# Allegro board PSOC_6A512K_CAPSENSE_VALIDATION_BOARD_Rev_2.brd (continued)
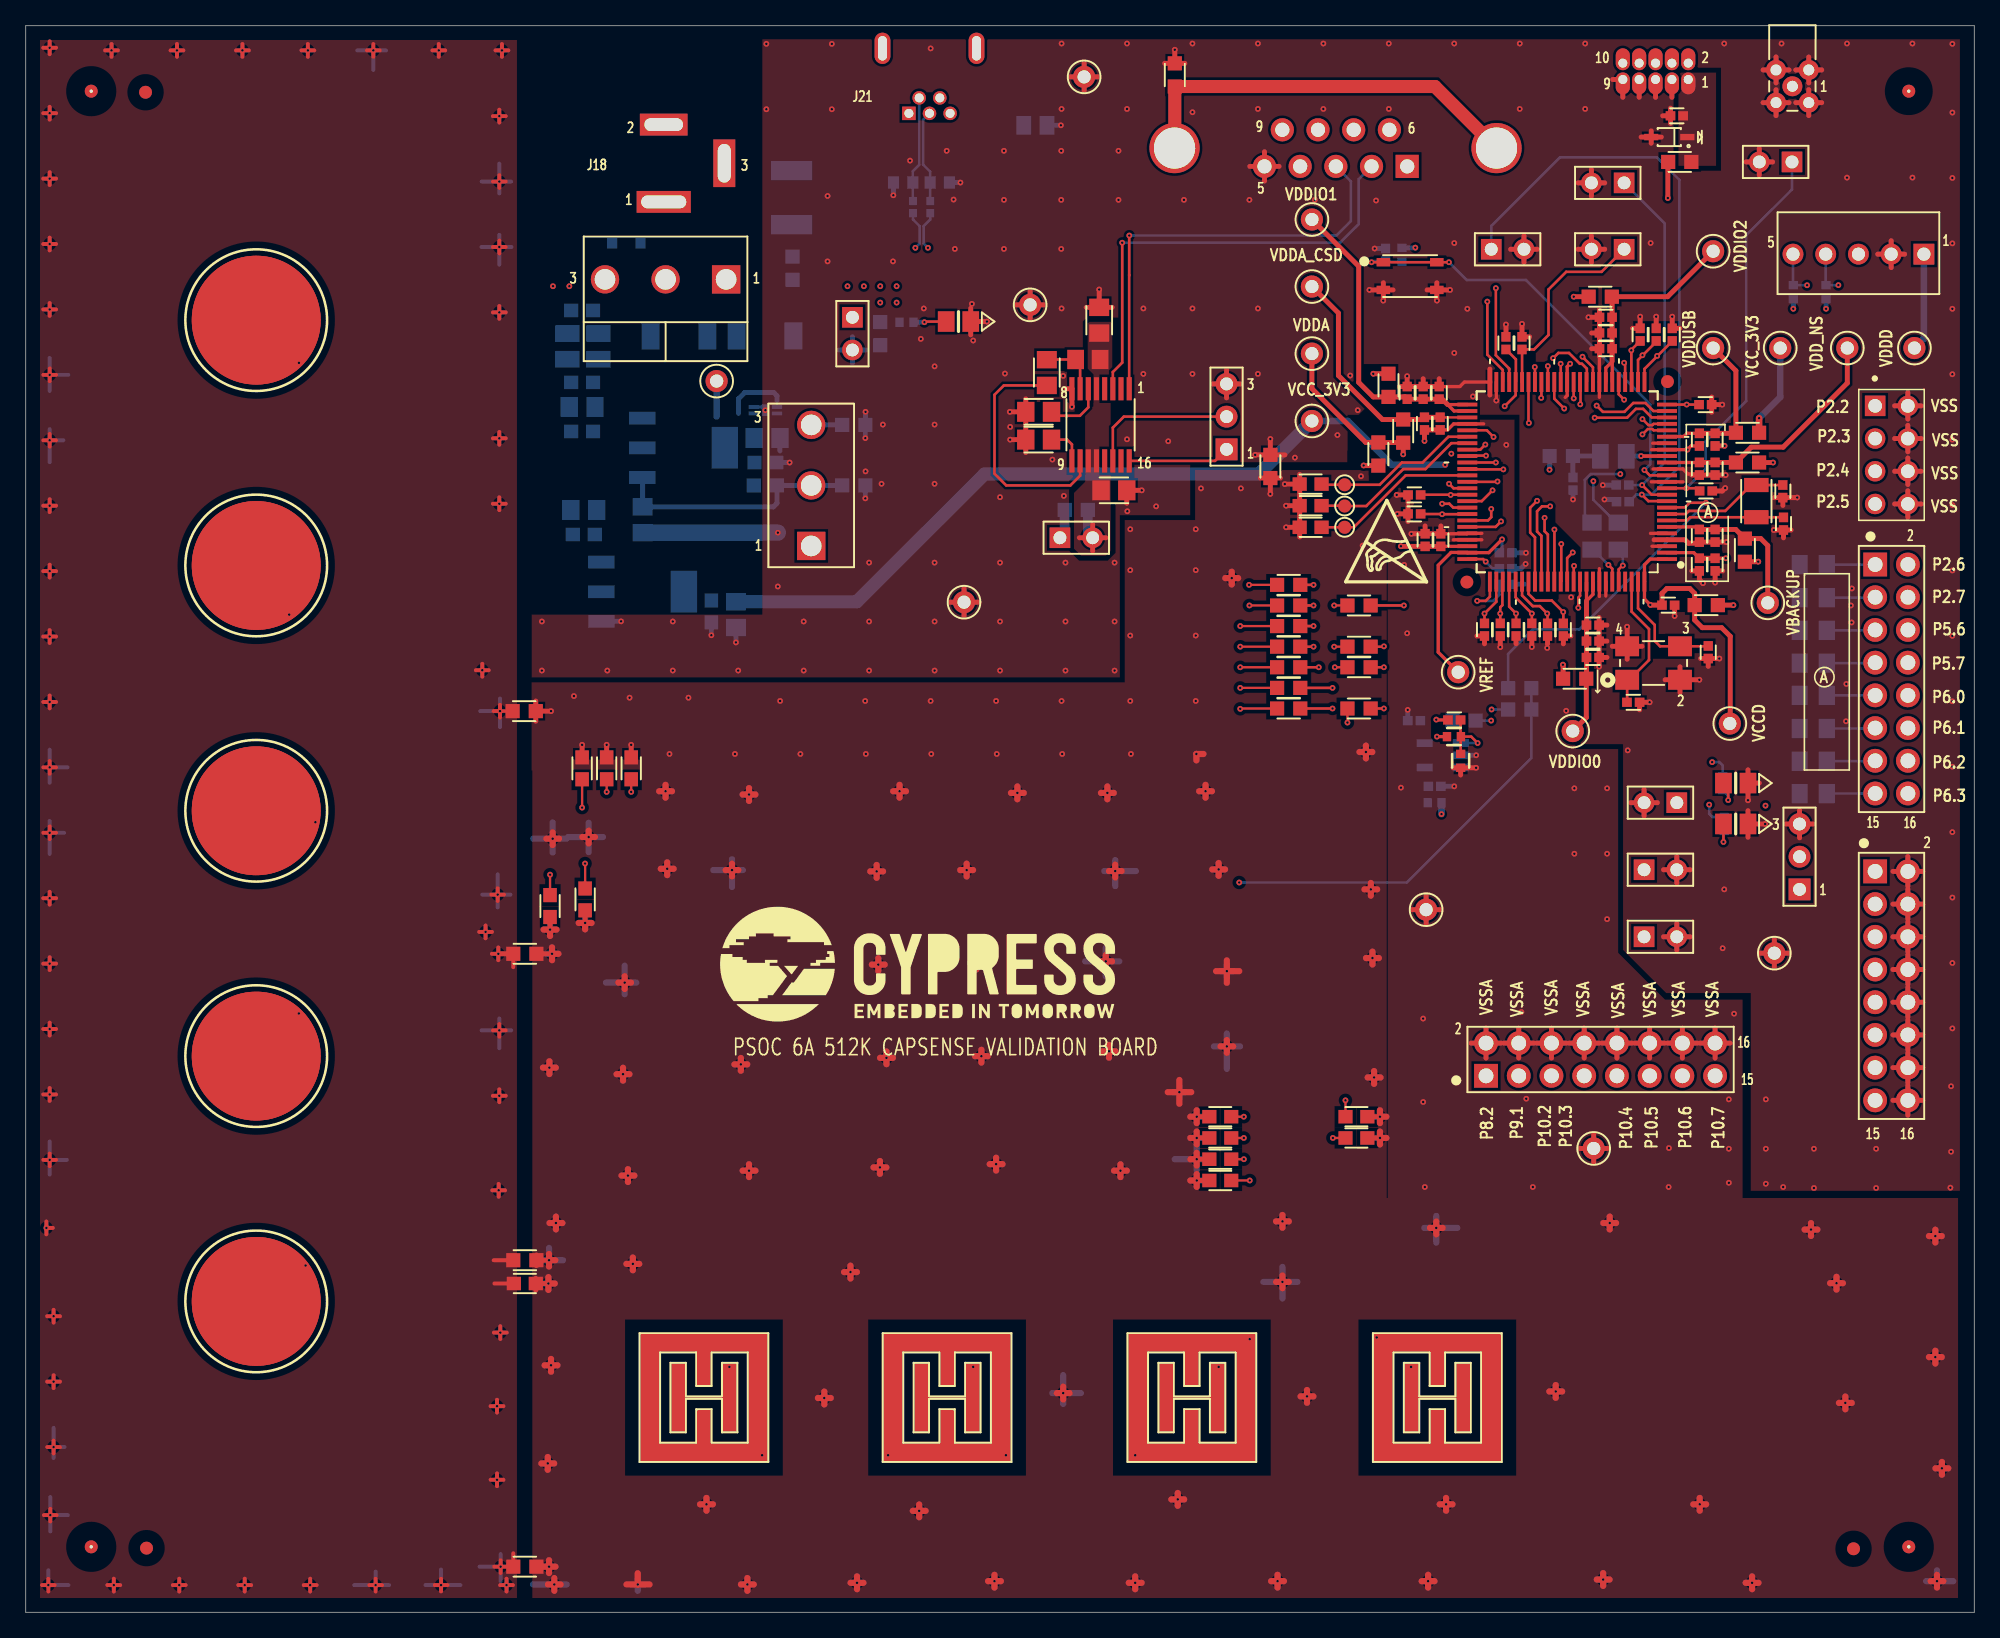
[diagram p0: board, top side]
## Routing (per net, layer and track width the routed paths; a pad name or vN(x,y) marks a point on that pad's centre or on a via; arc(x,y) is an arc through that point) (continued)
CSD0: length 112.7
  TOP w0.178: C27.1 v1(46.99,63.7) ; R10.1 v1(94.26,76.58)
  L04_SIG w0.178: v1(21.2,97.02) 33.53,84.7 33.53,68.71 37.47,64.77 45.92,64.77 v1(46.99,63.7) 48.08,62.61 91.21,62.61 92.25,63.65 92.25,74.57 v1(94.26,76.58)
CSD1: length 95.7
  TOP w0.178: C26.1 v1(45.09,63.7) ; R12.1 v1(94.26,74.98)
  L04_SIG w0.178: v1(94.26,74.98) 92.76,73.48 92.76,63.37 90.98,61.59 47.19,61.59 v1(45.09,63.7) 34.21,63.7 v1(20.45,77.47)
CSD2: length 88.9
  TOP w0.178: C25.1 v1(43.18,62.48) ; v1(94.26,73.38) R17.1
  L04_SIG w0.178: v1(94.26,73.38) 93.22,72.34 93.22,62.99 90.81,60.58 45.09,60.58 v1(43.18,62.48) 23.61,62.48 v1(22.48,61.35)
CSD3: length 93.5
  TOP w0.178: C30.1 43.41,58.14 v1(43.41,58.14) ; v1(94.26,71.78) R19.1
  L04_SIG w0.178: v1(21.2,46.5) 32.84,58.14 v1(43.41,58.14) 44.83,59.56 90.8,59.56 93.65,62.41 93.65,71.17 v1(94.26,71.78)
CSD4: length 108.9
  TOP w0.178: v1(94.26,70.15) 94.28,70.18 R79.1 ; C121.1 v1(40.69,57.28)
  L04_SIG w0.178: v1(94.26,70.15) 94.26,61.95 90.98,58.67 46.74,58.67 45.34,57.28 v1(40.69,57.28) 36.45,57.28 33.78,54.61 33.78,38.99 v1(21.72,26.92)
HATCH: length 355.3
  TOP w0.254: R14.2 v1(36.81,69.98)
  TOP w0.305: 21.4,121.28 v1(21.89,121.28) ; v1(21.89,121.28) 22.39,121.28 ; v1(21.89,121.28) 21.89,121.78 ; v1(21.89,121.28) 21.89,120.79 ; v1(35.69,52.83) 35.69,53.33 ; v1(35.69,52.83) 35.19,52.83 ; v1(35.69,52.83) 36.18,52.83 ; v1(35.69,52.83) 35.69,52.34 ; 36.75,44.69 v1(36.75,45.19) ; v1(36.75,45.19) 36.75,45.68 ; v1(36.75,45.19) 37.25,45.19 ; v1(36.75,45.19) 36.26,45.19 ; C39.1 38.12,25.53 ; C39.1 37.89,25.17 ; C39.1 36.37,25.53 ; C39.1 37.89,25.76 ; v1(32.23,2.11) 32.73,2.11 ; v1(32.23,2.11) 32.23,2.6 ; v1(32.23,2.11) 31.74,2.11 ; v1(32.23,2.11) 32.23,1.61 ; v1(2.16,17.91) 2.65,17.91 ; v1(2.16,17.91) 2.16,17.41 ; v1(2.16,17.91) 2.16,18.4 ; v1(2.16,17.91) 1.66,17.91 ; 2.16,12.33 v1(2.16,12.83) ; v1(2.16,12.83) 1.66,12.83 ; v1(2.16,12.83) 2.65,12.83 ; v1(2.16,12.83) 2.16,13.32 ; 36.75,85.59 v1(36.75,86.08) ; v1(36.75,86.08) 36.75,86.58 ; v1(36.75,86.08) 36.26,86.08 ; v1(36.75,86.08) 37.25,86.08 ; 37.84,3.4 R30.2 ; R30.2 37.69,3.54 ; R30.2 38.12,3.54 ; R30.2 37.84,4.57 ; v1(1.85,50.37) 2.35,50.37 ; v1(1.85,50.37) 1.85,50.86 ; v1(1.85,50.37) 1.85,49.87 ; v1(1.85,50.37) 1.36,50.37 ; 34.94,73.15 v1(35.43,73.15) ; v1(35.43,73.15) 35.43,72.66 ; v1(35.43,73.15) 35.43,73.65 ; v1(35.43,73.15) 35.93,73.15 ; v1(36.75,116.18) 36.75,116.67 ; v1(36.75,116.18) 36.75,115.68 ; v1(36.75,116.18) 36.26,116.18 ; v1(36.75,116.18) 37.25,116.18 ; 36.7,32.27 v1(36.7,32.77) ; v1(36.7,32.77) 36.7,33.26 ; v1(36.7,32.77) 36.21,32.77 ; v1(36.7,32.77) 37.2,32.77 ; v1(1.85,45.29) 2.35,45.29 ; v1(1.85,45.29) 1.85,45.78 ; v1(1.85,45.29) 1.85,44.79 ; v1(1.85,45.29) 1.36,45.29 ; v1(1.85,60.53) 2.35,60.53 ; v1(1.85,60.53) 1.36,60.53 ; v1(1.85,60.53) 1.85,60.03 ; v1(1.85,60.53) 1.85,61.02 ; 1.75,1.61 v1(1.75,2.11) ; v1(1.75,2.11) 1.26,2.11 ; v1(1.75,2.11) 1.75,2.6 ; v1(1.75,2.11) 2.25,2.11 ; v1(26.97,121.28) 26.97,121.78 ; v1(26.97,121.28) 26.48,121.28 ; v1(26.97,121.28) 27.47,121.28 ; v1(26.97,121.28) 26.97,120.79 ; v1(36.58,16) 37.07,16 ; v1(36.58,16) 36.58,16.5 ; v1(36.58,16) 36.58,15.51 ; v1(36.58,16) 36.08,16 ; 1.85,39.71 v1(1.85,40.21) ; v1(1.85,40.21) 1.36,40.21 ; v1(1.85,40.21) 2.35,40.21 ; v1(1.85,40.21) 1.85,40.7 ; 36.26,106.02 v1(36.75,106.02) ; v1(36.75,106.02) 36.75,106.51 ; v1(36.75,106.02) 37.25,106.02 ; v1(36.75,106.02) 36.75,105.52 ; 1.36,111.33 v1(1.85,111.33) ; v1(1.85,111.33) 1.85,110.83 ; v1(1.85,111.33) 2.35,111.33 ; v1(1.85,111.33) 1.85,111.82 ; 36.36,3.54 v1(36.86,3.54) ; v1(36.86,3.54) 36.86,4.03 ; v1(36.86,3.54) 37.35,3.54 ; v1(36.86,3.54) 36.86,3.04 ; v1(6.83,2.11) 6.83,2.6 ; v1(6.83,2.11) 7.33,2.11 ; v1(6.83,2.11) 6.83,1.61 ; v1(6.83,2.11) 6.34,2.11 ; 6.16,121.28 v1(6.65,121.28) ; v1(6.65,121.28) 6.65,121.78 ; v1(6.65,121.28) 7.15,121.28 ; v1(6.65,121.28) 6.65,120.79 ; 1.85,115.91 v1(1.85,116.41) ; v1(1.85,116.41) 1.85,116.9 ; v1(1.85,116.41) 1.36,116.41 ; v1(1.85,116.41) 2.35,116.41 ; v1(1.85,85.93) 1.85,86.42 ; v1(1.85,85.93) 1.85,85.43 ; v1(1.85,85.93) 1.36,85.93 ; v1(1.85,85.93) 2.35,85.93 ; 36.13,55.73 v1(36.63,55.73) ; v1(36.63,55.73) 36.63,56.22 ; v1(36.63,55.73) 37.12,55.73 ; v1(36.63,55.73) 36.63,55.23 ; v1(1.85,101.17) 2.35,101.17 ; v1(1.85,101.17) 1.36,101.17 ; v1(1.85,101.17) 1.85,101.66 ; v1(1.85,101.17) 1.85,100.67 ; 36.26,111.1 v1(36.75,111.1) ; v1(36.75,111.1) 36.75,111.59 ; v1(36.75,111.1) 37.25,111.1 ; v1(36.75,111.1) 36.75,110.6 ; v1(1.85,80.85) 1.85,81.34 ; v1(1.85,80.85) 1.36,80.85 ; v1(1.85,80.85) 2.35,80.85 ; v1(1.85,80.85) 1.85,80.35 ; 1.85,95.59 v1(1.85,96.09) ; v1(1.85,96.09) 2.35,96.09 ; v1(1.85,96.09) 1.85,96.58 ; v1(1.85,96.09) 1.36,96.09 ; v1(36.75,100.94) 36.75,101.43 ; v1(36.75,100.94) 37.25,100.94 ; v1(36.75,100.94) 36.26,100.94 ; v1(36.75,100.94) 36.75,100.44 ; 36.26,40.11 v1(36.75,40.11) ; v1(36.75,40.11) 36.75,39.61 ; v1(36.75,40.11) 36.75,40.6 ; v1(36.75,40.11) 37.25,40.11 ; 26.66,2.11 v1(27.15,2.11) ; v1(27.15,2.11) 27.65,2.11 ; v1(27.15,2.11) 27.15,2.6 ; v1(27.15,2.11) 27.15,1.61 ; 36.68,50.64 v1(36.68,51.13) ; v1(36.68,51.13) 37.17,51.13 ; v1(36.68,51.13) 36.68,51.62 ; v1(36.68,51.13) 36.18,51.13 ; v1(22.07,2.11) 22.07,2.6 ; v1(22.07,2.11) 22.07,1.61 ; v1(22.07,2.11) 22.57,2.11 ; v1(22.07,2.11) 21.58,2.11 ; v1(1.85,121.49) 2.35,121.49 ; v1(1.85,121.49) 1.85,121.98 ; v1(1.85,121.49) 1.85,120.99 ; v1(1.85,121.49) 1.36,121.49 ; v1(16.99,2.11) 17.49,2.11 ; v1(16.99,2.11) 16.99,2.6 ; v1(16.99,2.11) 16.99,1.61 ; v1(16.99,2.11) 16.5,2.11 ; v1(36.83,21.72) 37.32,21.72 ; v1(36.83,21.72) 36.34,21.72 ; v1(36.83,21.72) 36.83,22.21 ; v1(36.83,21.72) 36.83,21.22 ; 1.6,29.35 v1(1.6,29.84) ; v1(1.6,29.84) 1.6,30.34 ; v1(1.6,29.84) 2.09,29.84 ; 31.56,121.28 v1(32.05,121.28) ; v1(32.05,121.28) 32.05,121.78 ; v1(32.05,121.28) 32.05,120.79 ; v1(32.05,121.28) 32.55,121.28 ; v1(36.75,91.16) 36.75,91.66 ; v1(36.75,91.16) 37.25,91.16 ; v1(36.75,91.16) 36.75,90.67 ; v1(36.75,91.16) 36.26,91.16 ; 1.91,7.05 v1(1.91,7.54) ; v1(1.91,7.54) 1.41,7.54 ; v1(1.91,7.54) 1.91,8.04 ; v1(1.91,7.54) 2.4,7.54 ; 1.36,106.25 v1(1.85,106.25) ; v1(1.85,106.25) 2.35,106.25 ; v1(1.85,106.25) 1.85,106.74 ; v1(1.85,106.25) 1.85,105.75 ; 1.36,65.61 v1(1.85,65.61) ; v1(1.85,65.61) 1.85,66.1 ; v1(1.85,65.61) 2.35,65.61 ; v1(1.85,65.61) 1.85,65.11 ; 1.36,35.13 v1(1.85,35.13) ; v1(1.85,35.13) 1.85,35.62 ; v1(1.85,35.13) 1.85,34.63 ; v1(1.85,35.13) 2.35,35.13 ; 11.73,120.79 v1(11.73,121.28) ; v1(11.73,121.28) 11.73,121.78 ; v1(11.73,121.28) 11.24,121.28 ; v1(11.73,121.28) 12.23,121.28 ; 36.96,120.79 v1(36.96,121.28) ; v1(36.96,121.28) 37.45,121.28 ; v1(36.96,121.28) 36.96,121.78 ; v1(36.96,121.28) 36.46,121.28 ; 1.66,22.99 v1(2.16,22.99) ; v1(2.16,22.99) 2.16,23.48 ; v1(2.16,22.99) 2.16,22.49 ; v1(2.16,22.99) 2.65,22.99 ; R29.2 37.84,27.68 ; R29.2 37.84,26.99 ; R29.2 38.12,27.34 ; R29.2 36.31,27.34 ; v1(1.85,70.69) 1.85,71.18 ; v1(1.85,70.69) 2.35,70.69 ; v1(1.85,70.69) 1.36,70.69 ; v1(1.85,70.69) 1.85,70.19 ; R28.2 37.84,51.27 ; R28.2 37.84,50.09 ; R28.2 38.12,51.13 ; v1(1.85,91.01) 1.85,91.5 ; v1(1.85,91.01) 1.85,90.51 ; v1(1.85,91.01) 1.36,91.01 ; v1(1.85,91.01) 2.35,91.01 ; 11.91,1.61 v1(11.91,2.11) ; v1(11.91,2.11) 11.91,2.6 ; v1(11.91,2.11) 11.42,2.11 ; v1(11.91,2.11) 12.41,2.11 ; 1.85,75.27 v1(1.85,75.77) ; v1(1.85,75.77) 1.85,76.26 ; v1(1.85,75.77) 1.36,75.77 ; v1(1.85,75.77) 2.35,75.77 ; 36.08,10.29 v1(36.58,10.29) ; v1(36.58,10.29) 36.58,9.79 ; v1(36.58,10.29) 36.58,10.78 ; v1(36.58,10.29) 37.07,10.29 ; v1(1.85,55.45) 2.35,55.45 ; v1(1.85,55.45) 1.85,54.95 ; v1(1.85,55.45) 1.36,55.45 ; v1(1.85,55.45) 1.85,55.94 ; v1(16.81,121.28) 16.81,121.78 ; v1(16.81,121.28) 17.31,121.28 ; v1(16.81,121.28) 16.32,121.28 ; v1(16.81,121.28) 16.81,120.79 ; 36.31,69.98 v1(36.81,69.98) ; v1(36.81,69.98) 36.81,70.47 ; v1(36.81,69.98) 36.81,69.48 ; v1(37.31,2.11) 37.81,2.11 ; v1(37.31,2.11) 36.82,2.11 ; v1(37.31,2.11) 37.31,1.61 ; v1(37.31,2.11) 37.31,2.6
  TOP w0.381: v1(36.68,51.13) 36.68,51.13 R28.2
  L03_SIG w0.203: v1(36.63,55.73) 37.57,56.67 v1(94.18,56.67)
  BOTTOM w0.203: R55.2 R57.2 116.85,66.33 107.19,56.67 v1(94.18,56.67)
  BOTTOM w0.305: v1(36.75,86.08) 36.75,86.58 ; v1(36.75,86.08) 36.75,85.59 ; v1(36.75,86.08) 37.25,86.08 ; v1(36.75,86.08) 36.26,86.08 ; 1.85,100.67 v1(1.85,101.17) ; v1(1.85,101.17) 2.35,101.17 ; v1(1.85,101.17) 1.85,101.66 ; v1(1.85,101.17) 1.36,101.17 ; v1(27.15,2.11) 28.2,2.11 ; v1(27.15,2.11) 27.15,3.16 ; v1(27.15,2.11) 25.49,2.11 ; 1.6,29.35 v1(1.6,29.84) ; v1(1.6,29.84) 2.09,29.84 ; v1(1.6,29.84) 1.6,30.34 ; 11.24,121.28 v1(11.73,121.28) ; v1(11.73,121.28) 11.73,121.78 ; v1(11.73,121.28) 11.73,120.79 ; v1(11.73,121.28) 12.23,121.28 ; v1(36.68,51.13) 37.17,51.13 ; v1(36.68,51.13) 36.18,51.13 ; v1(36.68,51.13) 36.68,50.64 ; v1(36.68,51.13) 36.68,51.62 ; 36.58,9.79 v1(36.58,10.29) ; v1(36.58,10.29) 36.58,10.78 ; v1(36.58,10.29) 37.07,10.29 ; v1(36.58,10.29) 36.08,10.29 ; v1(36.75,111.1) 37.67,111.1 ; v1(36.75,111.1) 36.75,112.49 ; v1(36.75,111.1) 36.75,110.18 ; v1(36.75,111.1) 35.38,111.1 ; v1(1.85,85.93) 1.85,86.42 ; v1(1.85,85.93) 1.85,85.43 ; v1(1.85,85.93) 1.36,85.93 ; v1(1.85,85.93) 2.35,85.93 ; v1(1.85,40.21) 2.35,40.21 ; v1(1.85,40.21) 1.85,39.71 ; v1(1.85,40.21) 1.36,40.21 ; v1(1.85,40.21) 1.85,40.7 ; v1(11.91,2.11) 11.91,2.6 ; v1(11.91,2.11) 11.91,1.61 ; v1(11.91,2.11) 11.42,2.11 ; v1(11.91,2.11) 12.41,2.11 ; 36.26,100.94 v1(36.75,100.94) ; v1(36.75,100.94) 37.25,100.94 ; v1(36.75,100.94) 36.75,101.43 ; v1(36.75,100.94) 36.75,100.44 ; v1(36.75,45.19) 37.68,45.19 ; v1(36.75,45.19) 36.75,46.11 ; v1(36.75,45.19) 36.75,43.8 ; v1(36.75,45.19) 35.38,45.19 ; v1(35.69,52.83) 36.18,52.83 ; v1(35.69,52.83) 35.19,52.83 ; v1(35.69,52.83) 35.69,53.33 ; v1(35.69,52.83) 35.69,52.34 ; v1(1.85,116.41) 1.85,116.9 ; v1(1.85,116.41) 1.36,116.41 ; v1(1.85,116.41) 1.85,115.91 ; v1(1.85,116.41) 2.35,116.41 ; v1(32.23,2.11) 33.73,2.11 ; v1(32.23,2.11) 31.02,2.11 ; v1(32.23,2.11) 32.23,3.32 ; 36.82,2.11 v1(37.31,2.11) ; v1(37.31,2.11) 37.81,2.11 ; v1(37.31,2.11) 37.31,1.61 ; v1(37.31,2.11) 37.31,2.6 ; 1.85,89.31 v1(1.85,91.01) ; v1(1.85,91.01) 1.85,91.87 ; v1(1.85,91.01) 2.92,91.01 ; v1(1.85,70.69) 2.35,70.69 ; v1(1.85,70.69) 1.36,70.69 ; v1(1.85,70.69) 1.85,70.19 ; v1(1.85,70.69) 1.85,71.18 ; v1(1.85,50.37) 2.35,50.37 ; v1(1.85,50.37) 1.36,50.37 ; v1(1.85,50.37) 1.85,50.86 ; v1(1.85,50.37) 1.85,49.87 ; 36.63,54.73 v1(36.63,55.73) ; v1(36.63,55.73) 35.43,55.73 ; v1(36.63,55.73) 36.63,57.3 ; v1(36.63,55.73) 37.62,55.73 ; v1(36.83,21.72) 36.83,22.21 ; v1(36.83,21.72) 37.32,21.72 ; v1(36.83,21.72) 36.83,21.22 ; v1(36.83,21.72) 36.34,21.72 ; 1.85,110.83 v1(1.85,111.33) ; v1(1.85,111.33) 1.36,111.33 ; v1(1.85,111.33) 1.85,111.82 ; v1(1.85,111.33) 2.35,111.33 ; v1(36.75,116.18) 37.25,116.18 ; v1(36.75,116.18) 36.75,115.68 ; v1(36.75,116.18) 36.26,116.18 ; v1(36.75,116.18) 36.75,116.67 ; v1(1.91,7.54) 1.91,8.95 ; v1(1.91,7.54) 3.27,7.54 ; v1(1.91,7.54) 1.91,6.28 ; v1(1.85,35.13) 3.19,35.13 ; v1(1.85,35.13) 1.85,33.99 ; v1(1.85,35.13) 1.85,36.56 ; v1(1.85,80.85) 1.85,81.34 ; v1(1.85,80.85) 2.35,80.85 ; v1(1.85,80.85) 1.85,80.35 ; v1(1.85,80.85) 1.36,80.85 ; v1(21.89,121.28) 22.39,121.28 ; v1(21.89,121.28) 21.4,121.28 ; v1(21.89,121.28) 21.89,121.78 ; v1(21.89,121.28) 21.89,120.79 ; 36.21,32.77 v1(36.7,32.77) ; v1(36.7,32.77) 36.7,33.26 ; v1(36.7,32.77) 36.7,32.27 ; v1(36.7,32.77) 37.2,32.77 ; v1(16.81,121.28) 16.81,121.78 ; v1(16.81,121.28) 16.32,121.28 ; v1(16.81,121.28) 17.31,121.28 ; v1(16.81,121.28) 16.81,120.79 ; v1(1.85,106.25) 2.35,106.25 ; v1(1.85,106.25) 1.85,105.75 ; v1(1.85,106.25) 1.85,106.74 ; v1(1.85,106.25) 1.36,106.25 ; v1(1.85,65.61) 3.25,65.61 ; v1(1.85,65.61) 1.85,66.98 ; v1(1.85,65.61) 1.85,64.41 ; 1.36,55.45 v1(1.85,55.45) ; v1(1.85,55.45) 1.85,54.95 ; v1(1.85,55.45) 2.35,55.45 ; v1(1.85,55.45) 1.85,55.94 ; 2.16,17.41 v1(2.16,17.91) ; v1(2.16,17.91) 2.65,17.91 ; v1(2.16,17.91) 1.66,17.91 ; v1(2.16,17.91) 2.16,18.4 ; v1(35.43,73.15) 35.43,73.65 ; v1(35.43,73.15) 35.93,73.15 ; v1(35.43,73.15) 35.43,72.66 ; v1(35.43,73.15) 34.94,73.15 ; 1.85,94.84 v1(1.85,96.09) ; v1(1.85,96.09) 1.85,97.41 ; v1(1.85,96.09) 3.3,96.09 ; v1(2.16,12.83) 3.02,12.83 ; v1(2.16,12.83) 2.16,11.97 ; v1(2.16,12.83) 2.16,14.32 ; v1(1.85,45.29) 1.85,45.78 ; v1(1.85,45.29) 1.36,45.29 ; v1(1.85,45.29) 2.35,45.29 ; v1(1.85,45.29) 1.85,44.79 ; v1(36.75,106.02) 36.75,106.96 ; v1(36.75,106.02) 35.36,106.02 ; v1(36.75,106.02) 37.69,106.02 ; v1(36.75,106.02) 36.75,104.65 ; v1(16.99,2.11) 17.49,2.11 ; v1(16.99,2.11) 16.99,1.61 ; v1(16.99,2.11) 16.99,2.6 ; v1(16.99,2.11) 16.5,2.11 ; 1.85,58.88 v1(1.85,60.53) ; v1(1.85,60.53) 2.97,60.53 ; v1(1.85,60.53) 1.85,61.45 ; 6.16,121.28 v1(6.65,121.28) ; v1(6.65,121.28) 6.65,120.79 ; v1(6.65,121.28) 6.65,121.78 ; v1(6.65,121.28) 7.15,121.28 ; v1(36.81,69.98) 36.81,70.95 ; v1(36.81,69.98) 37.78,69.98 ; v1(36.81,69.98) 36.81,68.74 ; v1(36.81,69.98) 35.27,69.98 ; 6.83,1.61 v1(6.83,2.11) ; v1(6.83,2.11) 6.34,2.11 ; v1(6.83,2.11) 6.83,2.6 ; v1(6.83,2.11) 7.33,2.11 ; 36.26,40.11 v1(36.75,40.11) ; v1(36.75,40.11) 37.25,40.11 ; v1(36.75,40.11) 36.75,40.6 ; v1(36.75,40.11) 36.75,39.61 ; v1(36.86,3.54) R30.2 ; v1(36.86,3.54) 36.86,4.52 ; v1(36.86,3.54) 35.22,3.54 ; v1(36.86,3.54) 36.86,2.41 ; v1(26.97,121.28) 27.96,121.28 ; v1(26.97,121.28) 25.73,121.28 ; v1(26.97,121.28) 26.97,119.76 ; v1(2.16,22.99) 2.16,23.48 ; v1(2.16,22.99) 2.65,22.99 ; v1(2.16,22.99) 2.16,22.49 ; v1(2.16,22.99) 1.66,22.99 ; 1.36,75.77 v1(1.85,75.77) ; v1(1.85,75.77) 1.85,76.26 ; v1(1.85,75.77) 2.35,75.77 ; v1(1.85,75.77) 1.85,75.27 ; v1(36.58,16) 37.07,16 ; v1(36.58,16) 36.58,16.5 ; v1(36.58,16) 36.58,15.51 ; v1(36.58,16) 36.08,16 ; v1(36.96,121.28) 36.96,121.78 ; v1(36.96,121.28) 36.46,121.28 ; v1(36.96,121.28) 37.45,121.28 ; v1(36.96,121.28) 36.96,120.79 ; v1(32.05,121.28) 32.05,121.78 ; v1(32.05,121.28) 32.55,121.28 ; v1(32.05,121.28) 31.56,121.28 ; v1(32.05,121.28) 32.05,120.79 ; v1(36.75,91.16) 36.75,91.66 ; v1(36.75,91.16) 37.25,91.16 ; v1(36.75,91.16) 36.75,90.67 ; v1(36.75,91.16) 36.26,91.16 ; v1(1.85,121.49) 2.35,121.49 ; v1(1.85,121.49) 1.85,120.99 ; v1(1.85,121.49) 1.36,121.49 ; v1(1.85,121.49) 1.85,121.98 ; v1(22.07,2.11) 22.57,2.11 ; v1(22.07,2.11) 22.07,1.61 ; v1(22.07,2.11) 22.07,2.6 ; v1(22.07,2.11) 21.58,2.11 ; 3.31,2.11 v1(1.75,2.11) 1.75,3.26
I2C_SCL: length 37.2
  L04_SIG w0.203: v1(123.76,88.39) 123.76,92.14 126.36,94.74 136.04,94.74 138.86,97.56 138.86,98.88 140.69,100.71 140.69,103.05 v1(140.68,103.05)
  BOTTOM w0.203: J5.4 139.7,103.08 R32.1 v1(140.68,103.05) ; v1(123.76,88.39) 121.46,88.39 121.01,87.93 121.01,85.17 R42.1
I2C_SDA: length 37.2
  L04_SIG w0.203: v1(138.25,103.05) 138.25,97.64 135.79,95.17 125.93,95.17 123.22,92.46 123.22,91.85 122.98,91.62 122.28,91.62 122.07,91.41 122.07,91.06 122.28,90.86 122.99,90.86 123.22,90.63 123.22,89.38 v1(121.67,87.83)
  BOTTOM w0.203: v1(121.67,87.83) 121.67,86.39 123.44,84.62 R41.1 ; v1(138.25,103.05) 138.25,103.05 R33.1 137.16,103.08 J5.5
LTCVCC: length 6.4
  TOP w0.381: J10.2 83.84,83.44 ; J10.2 82.8,84.47 ; J10.2 82.8,82.41 ; J10.2 81.77,83.44
  BOTTOM w0.762: J10.2 82.43,83.81 R48.1
P0_0: length 9.1
  TOP w0.203: U8.7 128.93,84.78 129.18,85.03 Y1.2 136.41,85.03 C49.1
P0_1: length 9.9
  TOP w0.203: U8.8 128.84,85.28 129.08,85.52 131.9,85.52 133.91,87.53 Y1.1 136.37,87.53 C48.1
P0_2: length 26
  TOP w0.203: v1(130.4,86.16) 129.13,86.16 128.78,85.8 127.4,85.8 U8.9
  BOTTOM w0.203: v1(130.4,86.16) 120.57,76.33 116.97,76.33 115.05,74.41 R55.1
P0_3: length 48.8
  TOP w0.203: U8.10 125.93,86.28 v1(125.43,86.79)
  BOTTOM w0.203: C114.2 125,86.79 v1(125.43,86.79) 126.19,86.79 128.35,88.95 128.35,111.23 126.59,112.98 119.08,112.98 113.74,107.65 J6.1
P0_4: length 28.8
  TOP w0.203: v1(125.45,87.53) 126.2,86.78 U8.11
  BOTTOM w0.203: J3.1 127.2,107.85 127.2,89.28 v1(125.45,87.53) C113.2
P0_5: length 37.2
  TOP w0.203: C110.2 129.7,87.28 v1(128.88,87.28) U8.12
  L03_SIG w0.203: J2.1 137.11,112.65 J1.1
  BOTTOM w0.203: J2.1 137.08,110.49 133.53,106.93 133.53,94.06 130.38,90.91 130.38,88.78 v1(128.88,87.28)
P2_0: length 49.8
  TOP w0.203: U8.23 126.19,92.78 125.53,93.45 124.97,93.45 124.28,92.76 v1(121.77,92.76) ; U1.16 92.3,89.41 J8.1
  L03_SIG w0.203: J8.1 97.86,94.97 113.06,94.97 116.03,97.94 119.62,97.94 121.19,96.38 121.19,93.34 v1(121.77,92.76)
P2_1: length 52.9
  TOP w0.203: v1(121.92,93.7) 122.4,93.22 124.08,93.22 124.76,93.9 125.7,93.9 126.33,93.28 U8.24 ; U1.14 84.37,91.99 85.22,92.84 J8.2
  L03_SIG w0.203: J8.2 95.76,95.4 112.85,95.4 115.8,98.35 120.75,98.35 121.92,97.18 v1(121.92,93.7)
P2_2: length 18.8
  TOP w0.203: C122.2 129.86,93.78 v1(128.91,93.78) U8.25
  L04_SIG w0.203: v1(128.91,93.78) 130.97,91.72 141.57,91.72 J24.1
P2_3: length 23.7
  TOP w0.203: C123.2 127.79,98.7 126.64,97.56 v1(126.62,97.56) 126.62,97.54 125.63,96.55 U8.26
  L03_SIG w0.203: J24.3 140.35,91.14 134.9,96.6 127.58,96.6 v1(126.62,97.56)
P2_4: length 25.6
  TOP w0.203: U8.27 125.13,97.24 125.48,97.59 v1(125.48,97.61) 125.5,97.61 126.54,98.65 C124.2
  L03_SIG w0.203: J24.5 141.9,88.6 134.47,96.04 127.05,96.04 v1(125.48,97.61)
P2_5: length 27.6
  TOP w0.203: U8.28 124.61,95.55 v1(124.61,97.99) 124.61,98.04 C125.2
  L03_SIG w0.203: J24.7 133.97,95.63 126.57,95.63 124.94,97.26 124.94,97.66 v1(124.61,97.99)
P2_6: length 30
  TOP w0.203: v1(124.05,97.03) 124.13,96.95 U8.29
  L03_SIG w0.203: v1(124.05,97.03) 126.36,94.72 131.72,94.72 142.62,83.82 143.62,83.82 J20.2
P2_7: length 29.9
  TOP w0.203: v1(124.05,94.16) 123.63,94.58 U8.30
  L03_SIG w0.203: v1(124.05,94.16) 125.53,94.16 127.61,92.08 129.49,92.08 141.45,80.11 144.79,80.11 J20.4
P3_0: length 38.5
  TOP w0.203: v1(120.82,97.5) 120.95,97.37 120.95,97.36 121.63,96.67 U8.34 ; R18.1 v1(105.41,73.38)
  L04_SIG w0.203: v1(105.41,73.38) 108.25,76.23 108.25,89.48 111.05,92.28 111.05,94.92 114.12,97.99 120.33,97.99 120.82,97.5 v1(120.82,97.5)
P3_1: length 40.6
  TOP w0.203: U8.35 121.16,95.56 121.16,96.57 120.78,96.95 120.61,96.95 119.77,97.79 118.95,97.79 v1(118.54,97.38) ; R25.1 v1(105.41,70.18)
  L04_SIG w0.203: v1(105.41,70.18) 108.69,73.46 108.69,89.33 111.48,92.13 111.48,94.67 114.2,97.38 v1(118.54,97.38)
P5_0: length 41
  TOP w0.203: U8.36 120.67,95.49 120.67,93.82 v1(120.65,93.8)
  L04_SIG w0.203: v1(120.65,93.8) 116.76,89.92 116.76,87.58 116,86.82 116,84.35 118.69,81.66 118.69,77.19 119.2,76.68 120.45,76.68 123.47,73.66 123.47,71.91 129.36,66.01 v1(130.89,66.01)
  BOTTOM w0.203: R58.1 131.7,65.76 131.44,66.01 v1(130.89,66.01)
P5_1: length 44.4
  TOP w0.203: U8.37 120.13,94.27 v1(120.14,94.26)
  L04_SIG w0.203: v1(130.66,62.71) 130.66,64.03 122.94,71.75 122.94,73.56 120.4,76.1 118.72,76.1 117.47,77.34 117.47,82.31 115.6,84.18 115.6,87.07 116.28,87.76 116.28,91.19 119.33,94.23 120.12,94.23 v1(120.14,94.26)
  BOTTOM w0.203: v1(130.66,62.71) 130.66,62 130.9,61.75 R60.1
P5_6: length 38.4
  TOP w0.203: v1(119.13,96.95) 119.13,96.94 U8.39
  L03_SIG w0.203: v1(119.13,96.95) 119.13,96.94 119.13,94.51 123.16,90.47 127.76,90.47 140.67,77.57 144.79,77.57 J20.6
P5_7: length 37.6
  TOP w0.203: U8.40 118.63,94.24 v1(119.41,93.47)
  L03_SIG w0.203: v1(119.41,93.47) 119.41,92.86 123.04,89.23 128.4,89.23 142.6,75.03 144.79,75.03 J20.8
P6_0: length 42.8
  TOP w0.203: U8.41 v1(118.13,96.77)
  L03_SIG w0.203: v1(118.13,96.77) 118.64,96.26 118.64,92.68 125.81,85.52 131.42,85.52 141.63,75.31 141.63,73.63 142.8,72.47 144.81,72.47 J20.10
P6_1: length 41
  TOP w0.203: U8.42 117.63,94.32 v1(117.62,94.3)
  L03_SIG w0.203: J20.12 144.81,69.93 141.94,69.93 127,84.86 125.88,84.86 118.21,92.53 118.21,93.7 v1(117.62,94.3)
P6_2: length 46.5
  TOP w0.203: U8.43 117.13,96.68 v1(117.12,96.7)
  L03_SIG w0.203: v1(117.12,96.7) 116.64,96.22 116.64,93.14 117.22,92.56 117.22,91.92 120.19,88.95 120.19,87.96 123.9,84.25 124.69,84.25 141.53,67.41 144.79,67.41 J20.14
P6_3: length 46
  TOP w0.203: v1(116.66,92.35) 116.63,92.38 U8.44
  L03_SIG w0.203: v1(116.66,92.35) 116.66,91.74 119.61,88.8 119.61,87.76 123.57,83.79 124.51,83.79 127.71,80.59 127.71,79.7 142.6,64.82 144.84,64.82 J20.16
P6_4: length 15.7
  TOP w0.203: U8.45 116.13,98.06 C112.2 117.06,98.06 118.19,99.19 118.19,102.72 119.56,104.09 122.3,104.09 J4.1
P6_5: length 55.8
  TOP w0.203: C111.2 115.65,97.3 115.65,95.55 U8.46 115.63,94.5 v1(114.78,93.65)
  L04_SIG w0.203: J14.1 129.67,56.52 129.67,63.37 121.53,71.51 121.53,74 119.96,75.56 117.98,75.56 116.26,77.29 116.26,78.41 115.7,78.97 115.7,83.51 115.06,84.14 115.06,87.22 115.72,87.88 115.72,92.71 v1(114.78,93.65)
P6_6: length 39.1
  TOP w0.203: U8.47 115.13,96.5 115.13,96.51 115.13,96.58 114.1,97.61 v1(114.1,102.82)
  L03_SIG w0.203: J17.2 130.53,120.29 131.24,119.58 131.24,111.43 127.91,108.1 120.73,108.1 115.44,102.82 v1(114.1,102.82)
P6_7: length 44
  TOP w0.203: v1(113.44,101.78) 113.44,97.66 114.63,96.47 U8.48
  L03_SIG w0.203: v1(113.44,101.78) 115.32,101.78 121.13,107.59 128.14,107.59 131.7,111.15 131.7,119.99 129.67,122.02 128.12,122.02 127.76,121.67 J17.4
P7_0: length 29.3
  TOP w0.203: R10.2 v1(99.95,76.58) ; v1(113.92,91.26) 113.4,91.78 U8.55
  L03_SIG w0.203: v1(113.92,91.26) 112.85,91.26 111.2,89.61 111.2,85.5 110.41,84.71 106.71,84.71 105.46,83.46 105.46,77.47 104.57,76.58 v1(99.95,76.58)
P7_1: length 12.9
  TOP w0.203: C21.1 100.62,87.55 TP15.1 105.08,87.55 106.8,89.28 108.41,89.28 110.41,91.28 U8.56
P7_2: length 13.3
  TOP w0.203: U8.57 110.65,90.78 108.64,88.77 106.91,88.77 104.04,85.9 TP16.1 102.34,85.93 C22.1
P7_3: length 26
  TOP w0.203: U8.58 112.89,90.28 v1(113.28,90.68)
  L04_SIG w0.203: v1(113.73,69.24) 113.72,69.24 113.18,69.77 113.18,70.56 113.84,71.22 113.84,75.11 112.6,76.35 112.6,77.74 113.18,78.32 113.18,80.42 112.57,81.03 112.57,89.97 v1(113.28,90.68)
  BOTTOM w0.203: R21.2 v1(113.73,69.24)
P7_4: length 27.4
  TOP w0.203: R12.2 v1(99.95,74.98) ; U8.59 111.92,89.81 v1(113.33,89.81)
  L03_SIG w0.203: v1(99.95,74.98) 100.86,75.9 104.9,75.9 106.12,77.11 106.12,83.36 107.04,84.28 110.72,84.28 111.73,85.29 111.73,88.21 v1(113.33,89.81)
P7_5: length 24.5
  TOP w0.203: v1(114.1,89.28) U8.60
  L04_SIG w0.203: v1(113.77,70.1) 115.09,71.42 115.09,75.41 113.87,76.63 113.87,81.79 113.06,82.6 113.06,88.24 v1(114.1,89.28)
  BOTTOM w0.203: R57.1 v1(113.77,70.1)
P7_6: length 32.5
  TOP w0.203: U8.61 111.92,88.75 v1(114.68,88.75) ; R79.2 v1(101.42,70.18)
  L03_SIG w0.203: v1(101.42,70.18) 101.42,70.69 102.21,71.48 105.82,71.48 111,76.66 111,81.05 113.87,83.92 114.78,83.92 115.32,84.45 115.32,88.11 v1(114.68,88.75)